# Altium PCB PCB2.PcbDoc (part 1 of 2) (continued)
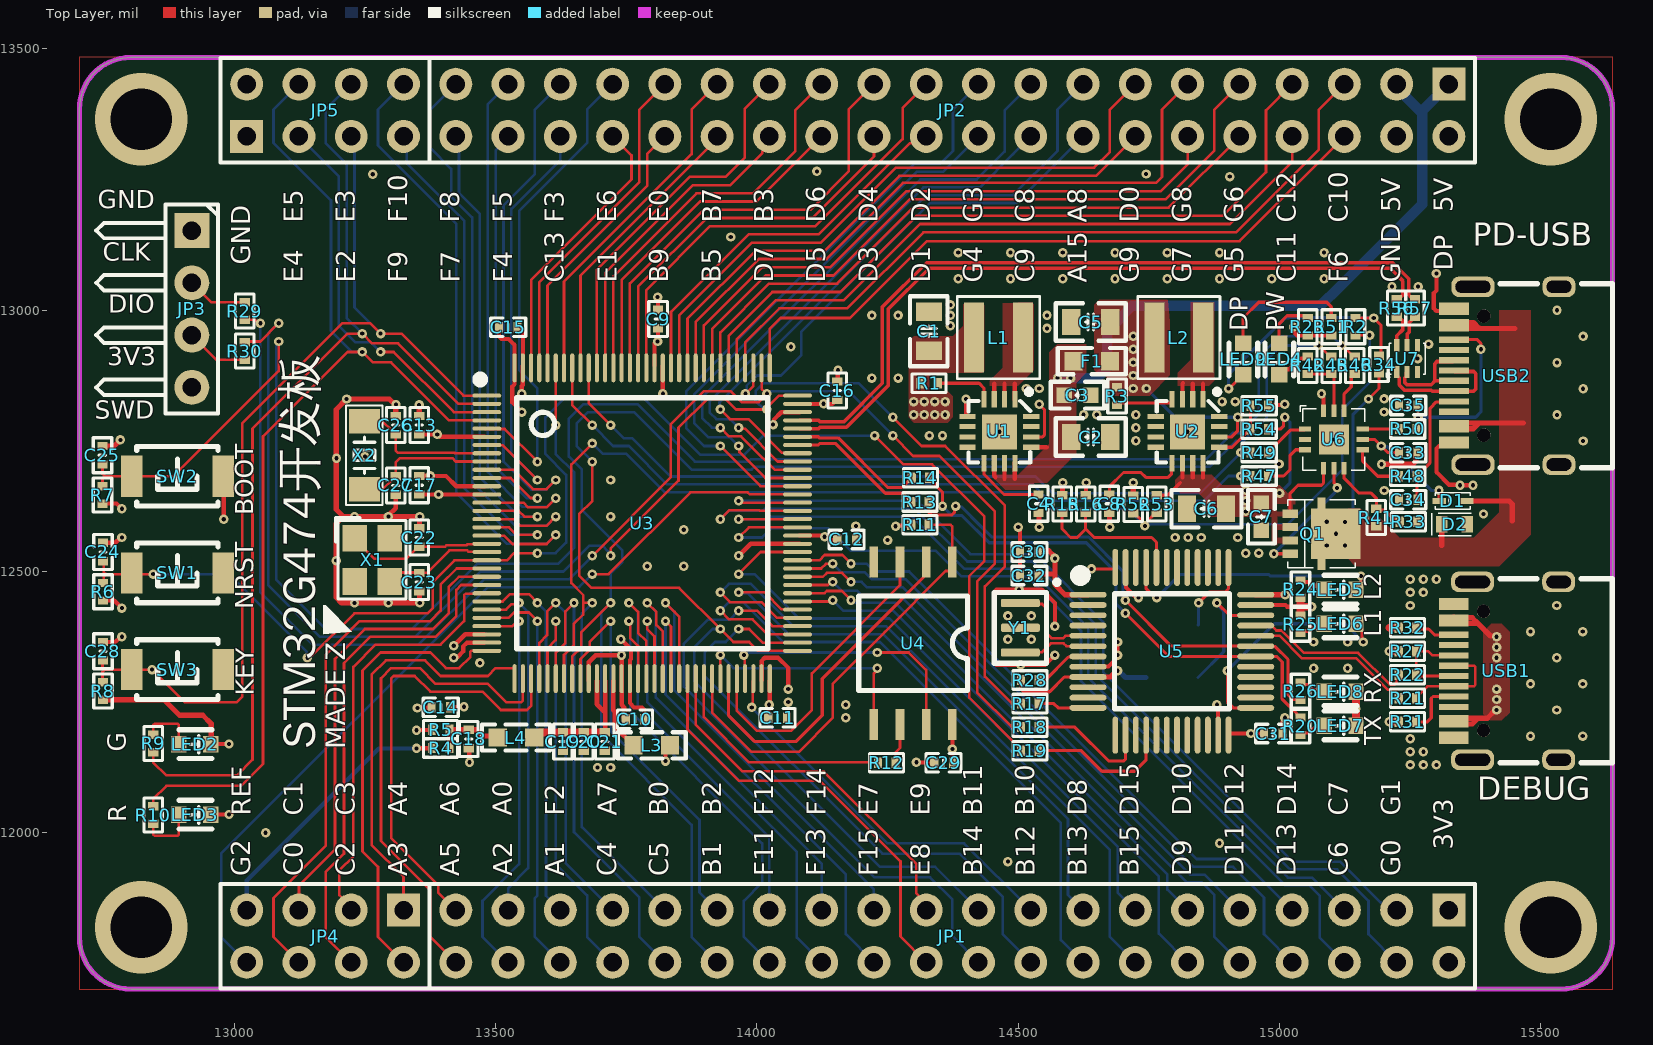
[diagram p0: Top Layer view]
## Footprints (in the part's own frame and the unit in brackets; to place one, negate y for a bottom-side part, rotate by r counter-clockwise, add the part's x,y. Pads: shape width x height; smd on the part's side, far side on the other; paste and mask are expansions set on the pad) (continued)
QFN16 [mm] "3mm*3mm"
  rect 0.8x0.25 smd: 1(-1.575,0.75) 2(-1.575,0.25) 3(-1.575,-0.25) 4(-1.575,-0.75) 9(1.524,-0.75) 10(1.524,-0.25) 11(1.524,0.25) 12(1.524,0.75)
  rect 0.25x0.8 smd: 5(-0.75,-1.55) 6(-0.25,-1.55) 7(0.25,-1.55) 8(0.75,-1.55) 13(0.75,1.55) 14(0.25,1.55) 15(-0.25,1.55) 16(-0.75,1.55)
  rect 1.7x1.7 smd: 17(0,0)
  silkscreen extent -2.07,-1.5 1.5,1.56, body extent -1.55,-1.52 1.49,1.52, height 0.9
QSPI [mm]
  rect 0.42x1.524 smd: 1(0,0) 2(1.27,0) 3(2.54,0) 4(3.81,0) 5(3.81,7.9) 6(2.54,7.9) 7(1.27,7.9) 8(0,7.9)
  silkscreen extent -0.73,1.65 4.54,6.25
"R 0402_L" [mm] "1/16W贴片电阻"
  rect 0.4x0.5 smd: 1(-0.4,0) 2(0.45,0)
  silkscreen extent -0.8,-0.45 0.85,0.45, body extent -0.5,-0.25 0.5,0.25, height 0.3
STL11N3LLH6 [mm]
  rect 0.4x0.75 smd: 1(1.311,-2.004) 2(-0.639,-2.004) 2(0.011,-2.004) 2(0.661,-2.004)
  rect 0.53x0.4 smd: 3(-1.154,-0.479) 3(1.826,-0.479)
  rect 2.45x2.4 smd: 3(0.336,0.221)
  silkscreen extent -1.31,-2.13 1.99,1.17
TCPP01-M12 [mm]
  rect 1.45x1.45 smd: 0(0.5,-1.4)
  rect 0.6x0.25 smd: 1(-0.9,-0.9) 2(-0.9,-1.4) 3(-0.9,-1.9) 7(1.9,-1.9) 8(1.9,-1.4) 9(1.9,-0.9)
  rect 0.25x0.6 smd: 4(0,-2.8) 5(0.5,-2.8) 6(1,-2.8) 10(1,0) 11(0.5,0) 12(0,0)
  silkscreen extent -1.14,-2.9 2,0.24
"TEST 1.2" [mm] "测试点1.2mm"
  round 1.2 smd paste-1.2: 1(0,0)
  silkscreen extent -0.76,-0.76 0.76,0.76
Type-c接口 [mm]
  rrect75% 1x2.1 hole 1.7 slot 0.6 at 0 deg: 0(0.454,1.117) 0(9.094,1.117)
  rrect75% 1x1.6 hole 1.2 slot 0.6 at 0 deg: 0(0.454,-3.063) 0(9.094,-3.063)
  round 0.65 hole 0.65: 0(1.884,0.587) 0(7.664,0.587)
  rect 0.3x1.45 smd: A1(1.374,2.032) A4(2.174,2.032) A5(3.524,2.032) A6(4.524,2.032) A7(5.024,2.032) A8(6.024,2.032) A9(7.374,2.032) A12(8.174,2.032) B1(7.874,2.032) B4(7.074,2.032) B5(6.524,2.032) B6(5.524,2.032) B7(4.024,2.032) B8(3.024,2.032) B9(2.474,2.032) B12(1.674,2.032)
  silkscreen extent 0.3,-5.66 9.24,-0.21
三脚晶振 [mm]
  rrect50% 0.4x1.9 smd: 1(2.4,0) 2(1.2,0) 3(0,0)
  silkscreen extent -1.12,-1.27 2.92,1.88
按钮 [mm]
  rect 1.05x2 smd: 1(0,0) 2(4.45,0)
  silkscreen extent 0.25,-1.45 4.2,1.45
电感XFL4020 [mm]
  rect 0.98x3.4 smd: 1(0,0) 2(2.37,0)
  silkscreen extent -0.81,-2 3.18,2

## Part data
C1 C2 C3 C4 C5 C6 C7 C8 C9 C10 C11 C12 C13 C14 C15 C16 C17 C18 C19 C20 C21 C22 C23 C24 C25 C26 C27 C28 C29 C30 C31 C32 C33 C34 C35: library part C, "贴片电容", 主类型=电容, 具体类型=陶瓷电容, 封装类型=贴片
  C1 C5: 值/型号=22uF/16V, 值精度=±10%, 元件封装=0805, 温度漂移=X7R（10%）, 温度范围="-55°C ~ 125°C", 生产商=SAMSUNG(三星), 生产商零件编码=CL21A226KOQNNNE, 立创编号=C296720
  C2 C6: 值/型号=10uF/50V, 值精度=±10%, 元件封装=0805, 温度漂移=X5R, 温度范围="-55°C ~ 125°C", 生产商=muRata(村田), 生产商零件编码=GRM21BR61H106KE43L, 立创编号=C440198
  C3 C7 C33: 值/型号=100nF/50V, 值精度=±10%, 元件封装=0603, 温度漂移=X7R（15%）, 温度范围="-55°C ~ 125°C", 生产商=SAMSUNG(三星), 生产商零件编码=CL10B104KB8NNNC, 立创编号=C1590
  C4 C8: 值/型号=3.3nF/50V, 值精度=±5%, 元件封装=0402, 温度漂移=X7R（5%）, 温度范围="-55°C ~ 125°C", 生产商=YAGEO(国巨), 生产商零件编码=CC0402JRX7R9BB332, 立创编号=C541447
  C9 C10 C11 C12 C14 C15 C16 C17 C18 C20 C21 C29: 值/型号=100nF/16V, 值精度=±10%, 元件封装=0402, 温度漂移=X7R（15%）, 温度范围="-55°C ~ 125°C", 生产商=YAGEO(国巨), 生产商零件编码=CC0402KRX7R7BB104, 立创编号=C60474
  C13 C19: 值/型号=1uF/16V, 值精度=±10%, 元件封装=0402, 温度漂移=X7R（5%）, 温度范围="-55°C ~ 125°C", 生产商=SAMSUNG(三星), 生产商零件编码=CL05A105KO5NNNC, 立创编号=C29266
  C22 C23: 值/型号=20pF/50V, 值精度=±1%, 元件封装=0402, 温度漂移=NP0, 生产商=YAGEO(国巨), 生产商零件编码=CC0402FRNPO9BN200, 立创编号=C327010
  C24 C25 C28: 值/型号=10nF/16V, 值精度=±10%, 元件封装=0402, 温度漂移=X7R, 生产商=YAGEO(国巨), 生产商零件编码=CC0402KRX7R7BB103, 立创编号=C327009
  C26 C27: 值/型号=7pF/50V, 值精度=±0.25pF, 元件封装=0402, 温度漂移=C0G, 生产商=YAGEO(国巨), 生产商零件编码=CC0402CRNPO9BN7R0, 立创编号=C260628
  C30 C31 C32: 值/型号=7pF/50V, 值精度=±0.25pF, 元件封装=0402, 温度漂移=C0G, 生产商=FH(风华), 生产商零件编码=0402CG7R0C500NT, 立创编号=C1577
  C34 C35: 值/型号=330pF/50V, 值精度=±10%, 元件封装=0402, 温度漂移=X7R（15%）, 温度范围="-55°C ~ 125°C", 生产商=YAGEO(国巨), 生产商零件编码=CC0402KRX7R9BB331, 立创编号=C106206
D1 D2: library part "D Schottky", "Schottky Diode"
  D1: 主类型=二极管, 值/型号=BAT54KFILM, 元件封装=SOD-523, 具体类型=肖特基二极管, 封装类型=贴片, 生产商=ST(意法半导体), 生产商零件编码=BAT54KFILM, 立创编号=C283259
F1: library part FU, "贴片保险丝"
JP1 JP2: library part "Header 20X2", "20*2P接插件", BOM名称=20*2P接插件, 学习资源=www.ooocke.com, 版权归属=源创客
JP3: library part "Header 4", "4P接插件"
JP4 JP5: "4*2P接插件", BOM名称=4*2P接插件, 学习资源=www.ooocke.com, 版权归属=源创客
L1 L2 L3 L4: library part L-CD, "XFL4020-222MEB", 主类型=电感, 封装类型=贴片, 温度范围=-40-125
  L1 L2: 值/型号=XFL4020-222MEB, 元件封装=4020, 具体类型=功率电感, 生产商=Coilcraft, 生产商零件编码=XFL4020-222MEB, 立创编号=https://detail.tmall.com/item.htm?spm=a230r.1.14.16.717a6f292tX0SR&id=619184428761&ns=1&abbucket=12, 类型备注=淘宝采购
  L3 L4: 值/型号=FCM1608KF-601T03, 元件封装=0603, 具体类型=磁珠, 生产商=台庆, 生产商零件编码=FCM1608KF-601T03, 立创编号=C141723
LED2 LED3 LED4 LED5 LED6 LED7 LED8 LED9: library part LED-SMD, "C84267"
Q1: library part SI2302, "N沟道场效应管"
R1 R3 R11 R12: library part R, "贴片电阻 0402 1%", 主类型=电阻, 值/型号=100K, 值精度=±1%, 元件封装=0402, 具体类型=贴片电阻, 封装类型=贴片, 温度漂移=±100ppm/℃, 生产商=国巨, 生产商零件编码=RC0402FR-07100KL, 立创编号=C60491
R2 R4 R5 R6 R7 R8 R13 R14 R15 R16 R17 R18 R19 R21 R22 R27 R28 R29 R30 R31 R32 R33 R34 R41 R42 R45 R46 R47 R48 R49 R50 R52 R53 R54 R55 R56 R57: library part R, "贴片电阻"
  R2 R4 R5 R13 R14 R29 R30 R33 R34 R45 R46 R47 R48 R49 R50 R52 R53 R54 R55: 元件封装=0402, 封装类型=贴片
R9 R10 R20 R23 R24 R25 R26 R51: library part R, "贴片电阻 0402 5%", 主类型=电阻, 值/型号=15K, 值精度=±1%, 元件封装=0402, 具体类型=贴片电阻, 封装类型=贴片, 温度漂移=50ppm, 生产商=国巨, 生产商零件编码=RT0402FRE0715KL, 立创编号=C136975
SW1 SW2 SW3: library part "TSW 3x6", "3x6轻触开关"
TP1 TP2 TP3 TP4: "测试点"
U1 U2: library part "开关电源 TPS62133", 主类型=线性稳压器, 值/型号=TPS62133RGTR, 元件封装=VQFN-16, 具体类型=LDO, 封装类型=贴片, 温度范围=-40-85, 生产商=TI(德州仪器), 生产商零件编码=TPS62133RGTR, 立创编号=C73973
U3: "No Description Available", Built_By=EMA_UL_Team, Copyright="Copyright (C) 2018 Accelerated Designs. All rights reserved", Manufacturer_Part_Number=STM32G474QET6, RefDes=RefDes, SourceLibrary=Updates_to_database_2020-10-19, Type=DEV, Vendor=STMicroelectronics
U4: library part QSPI-W25Q256IV
U5: "ARM Cortex-M3 32-bit MCU, 128 KB Flash, 20 KB Internal RAM, 37 I/Os, 48-pin LQFP, -40 to 85 degC, Tray"
USB1 USB2: library part USB-Type-C-TOP
X1: library part XTAL-4P, "4脚无源晶振", 主类型=晶振, 值/型号=24M, 值精度=20PPM, 元件封装=3225, 具体类型=无源晶振, 封装类型=贴片, 温度范围=-40℃~85℃, 生产商=YXC扬兴科技, 生产商零件编码=X322524MSB4SI, 立创编号=C15643
X2: library part XTAL-2P, "2脚无源脚晶振", 主类型=晶振, 值/型号=32.768K, 值精度=10PPM, 元件封装=3215, 具体类型=无源晶振, 封装类型=贴片, 温度范围="-40℃ ~ +85℃", 生产商=EPSON(爱普生), 生产商零件编码=Q13FC1350000200, 立创编号=C48615
Y1: library part 晶振-3Pin, "村田贴片"

## Via types
v1: diameter 18, hole 8, Top Layer to Bottom Layer, tented both sides, 327 vias
v2: diameter 177.17, hole 118.11, Top Layer to Bottom Layer, 4 vias

## Nets (pads, with @x,y where several pads share a name; then routed paths per layer and width w, separated by ;. In a path a pad name is that pad's centre, name@x,y a point inside that pad or via, vN(x,y) a via of type N, cw(c..) or ccw(c..) an arc to the next point about the centre after c; other vN are vias at no path point)
3V3: C1.1 C9.2 C10.2 C11.2 C12.2 C13.1 C14.2 C15.2 C16.2 C17.2 C25.2 C29.2 C30.2 C31.2 C32.2 JP1.1 JP1.2 JP3.4 L1.2 L3.1 LED2.1 LED3.1 LED4.1 LED7.1 LED8.1 R1.2 R5.1 R6.2 R8.2 R11.1 R16.1 R27.2 R28.1 R42.2 SW2.2 TP3.1 U1.14 U3.6 U3.13 U3.31 U3.47 U3.64 U3.79 U3.95 U3.111 U3.128 U4.8 U5.1 U5.9 U5.24 U5.36 U5.48 U6.12 | length 2649
  Top Layer w6: R28.1@14505.37,12292.28 14505.37,12274.63 14510,12270 14560,12270 14588.07,12298.07 U5.9@14633.38,12298.07 ; U1.14@14524.84,12757.44 14546.49,12757.44 14550,12760.96 14550,12810 v1(14540,12820) ; v1(14640,12505) 14683.25,12505 14685.56,12507.31 U5.48@14685.56,12507.73
  Top Layer w8: R6.2@12748.83,12444.57 12770.43,12444.57 v1(12785,12430) ; LED3.1@12955.07,12034.28 12955.78,12035 v1(12990,12035) ; LED2.1@12955.07,12169.28 12955.78,12170 v1(12990,12170) ; SW2.2@12978.83,12682.28 12980,12681.12 v1(12980,12600) ; v1(13348.6,12196.42) 13349.03,12196.85 13377.65,12196.85 R5.1@13378.08,12197.28 ; C17.2@13353.83,12647.28 v1(13390.89,12647.28) ; C13.1@13353.83,12762.28 v1(13388.51,12762.28) 13393.16,12757.64 U3.6@13479.25,12757.64 ; v1@13390.89,12647.4 U3.13@13479.25,12647.4 ; C14.2@13412.71,12240 13413.3,12240.58 13438.98,12240.58 v1(13439.57,12241.17) ; v1(13420,12335) 13421.91,12336.91 13427.75,12336.91 13438,12347.16 13438,12356.53 13445.2,12363.74 13479.05,12363.74 U3.31@13479.25,12363.94 ; C15.2@13506.41,12967.29 13506.41,12949.69 13511.09,12945 13525,12945 13536.37,12933.63 13536.37,12858.08 13532,12853.72 13532,12823 v1(13550,12805) ; v1(13739.74,12370.26) 13758.82,12351.18 13758.82,12332.42 13756.84,12330.44 13756.84,12248.16 13765,12240 13780,12240 13785,12235 13785,12218.02 C10.2@13784.26,12217.28 ; U3.111@13804.08,12893.5 13804.08,12937.72 13810.83,12944.47 C9.2@13810.83,12965.32 ; v1(13824.97,12137.26) 13824.97,12158.43 L3.1@13833.83,12167.28 L3.1@13836.12,12165 ; C11.2@14021.83,12220.32 14021.83,12243.62 14024.56,12246.35 U3.64@14024.56,12291.07 ; U3.79@14081.67,12568.66 14131.34,12568.66 14140,12560 14152.55,12560 C12.2@14153.83,12561.28 ; U3.95@14081.67,12820.63 14144.21,12820.63 14151.86,12828.28 C16.2@14153.83,12828.28 ; v1(14265.18,12586.63) 14266.5,12587.96 14294.04,12587.96 R11.1@14295.37,12589.28 ; U4.8@14373.77,12207.2 14374.3,12206.67 14374.3,12134.81 C29.2@14374.83,12134.28 ; R16.1@14628.83,12645.75 14629.42,12646.33 14629.42,12669.42 v1(14630,12670) ; U5.24@14902.1,12186.83 14902.1,12188.61 14903.49,12190 v1(14945,12190) C31.2@14970,12190 ; LED4.1@14999,12875.97 15009.76,12886.74 15018.42,12886.74 15038.89,12907.2 15049.85,12907.2 R42.2@15053.71,12911.06 ; v1(15080,12840) 15080,12837.29 15084.03,12833.27 U6.12@15084.03,12807.72
  Top Layer w10: C25.2@12747.83,12740 12770.37,12740 v1(12782.18,12751.8) ; R8.2@12748.83,12254.57 12865.43,12254.57 12895,12225 12939.8,12225 12955.78,12209.02 LED2.1@12955.78,12170 ; C32.2@14538.83,12492.28 14541.55,12495 14570,12495 ; C30.2@14538.83,12537.28 14541.21,12539.67 14558.28,12539.67 14568.47,12529.48 14568.47,12526.53 v1(14570,12525) 14570,12495 ; U5.9@14633.38,12298.07 14633.57,12298.26 14676.1,12298.26 14687.84,12310 v1(14690,12310) ; U5.1@14633.38,12455.55 14633.19,12455.36 14589.64,12455.36 14570,12475 14570,12495 ; U5.24@14902.1,12186.83 U5.24@14902.29,12186.64 ; U5.36@14954.28,12455.55 v1(15010.55,12455.55)
  Top Layer w15: LED7.1@15146.02,12205 v1(15146.02,12237.5) LED8.1@15146.02,12270 ; v1(15209.72,12347.28) R27.2@15228.08,12347.28
  Bottom Layer w10: v1(14690,12310) 14692.16,12310 14704.88,12297.28 TP3.1@14743.83,12297.28
  other v1: 14373.94,12160.36 14023.19,12244.99 14129.36,12566.5 14300,12800 14320,12800 14340,12800 14360,12800 14127.5,12820.8 14300,12825 14320,12825 14340,12825 14360,12825 15028.65,12896.97 13810,12940
5V: C2.2 C3.2 F1.2 JP2.1 JP2.3 U1.10 U1.11 U1.12 U1.13 | length 1320.8
  Top Layer w8: U1.10@14453.99,12707.28 14453.99,12682.98 14456.69,12680.28 ; 14473.67,12677.58 U1.11@14473.67,12707.28 ; 14493.36,12677.58 U1.12@14493.36,12707.28 ; U1.13@14524.84,12737.76 14554.54,12737.76
  Bottom Layer w20: v1(14575,12870) v1(14600,12870) 14650,12870 14670,12890 14670,12960 14718.11,13008.11 15078.11,13008.11 15115,13045 15272.83,13202.83 15272.83,13381.28 JP2.1@15323.83,13432.28 ; JP2.3@15223.83,13432.28 15223.83,13425.24 15272.83,13376.24
5V_IN: C5.1 F1.1 L2.2 R3.1 U2.14 USB1.A4 USB1.A9 USB1.B4 USB1.B9 | length 547.3
  Top Layer w6: U2.14@14884.84,12757.44 14908.28,12757.44 14919.22,12768.38 14919.22,12791.82 v1@14920.56,12793.16
  Top Layer w10: USB1.A4@15333.2,12207.55 15334.11,12208.45 15368.45,12208.45 15379.33,12219.33 15397.16,12219.33 15412.84,12235 v1(15415,12235) ; USB1.B9@15333.2,12219.36 15379.3,12219.36 ; USB1.B4@15333.2,12400.46 15379.54,12400.46 ; USB1.A9@15333.2,12412.27 15334.11,12411.36 15368.64,12411.36 15379.54,12400.46 ; v1(15415,12375) 15413.47,12376.53 15403.47,12376.53 15379.54,12400.46
  Bottom Layer w6: v1(14745,12850) 14800,12795 v1@14922.38,12795
  other v1: 15415,12255 15415,12275 15415,12335 15415,12355 14920,12795 14720,12850 14720,12875 14720,12900 14720,12925 14720,12950
ADC_VBUS: JP1.31 R2.1 R52.1 R53.2 U3.39 | length 3094.7
  Top Layer w5: U3.39@13630.86,12291.07 13630.86,12340.38 13649.32,12358.85 13649.32,12399.32 13667.68,12417.68 13667.68,12438.76 13668.92,12440 v1(13685,12440) ; 13667.68,12440 13667.68,12454.84 13645,12477.52 13645,12705 v1(13685,12745) ; R2.1@15145,12951.54 15145.45,12951.99 v1(15172.02,12951.99)
  Top Layer w6: R52.1@14720,12611.54 14721.97,12611.54 14739.85,12593.65 14739.85,12589.5 v1(14742.15,12587.2) 14744.44,12589.5 14744.44,12593.7 14763.03,12612.29 R53.2@14765,12612.29
  Bottom Layer w5: v1(13685,12440) 13665,12420 13665,12011.12 JP1.31@13823.83,11852.28 ; v1(13685,12745) 13705,12725 13750,12725 13823.12,12651.88 14523.12,12651.88 14555,12620 14709.35,12620 v1(14742.15,12587.2) 14744.64,12589.69 14751.27,12589.69 14751.58,12590 15015,12590 15120,12695 15120,12810 15172.02,12862.02 v1(15172.02,12951.99)
BOOT0: R15.2 R16.2 U5.44 | length 314.6
  Top Layer w6: R15.2@14583.83,12612.28 14583.83,12581.17 14600,12565 14612.66,12565 14628.83,12581.17 ; R16.2@14628.83,12612.28 14628.83,12581.17 ; U5.44@14764.3,12507.73 14764.3,12555.7 14755,12565 14645,12565 14628.83,12581.17
CC1_IN: C34.2 R48.2 USB2.A5 | length 239.3
  Top Layer w6: C34.2@15263.71,12637.28 15262.73,12638.26 15262.73,12681.3 R48.2@15261.75,12682.28 15261.75,12684.25 15266.63,12689.13 15268.59,12689.13 15287.83,12708.36 15287.83,12812.52 15299.76,12824.46 15332.89,12824.46 USB2.A5@15333.79,12825.37
CC2_IN: C35.2 R50.2 USB2.B5 | length 356.6
  Top Layer w6: R50.2@15261.75,12772.6 15263.38,12774.22 15263.38,12793.38 v1(15265,12795) 15264.36,12795.64 15264.36,12816.96 C35.2@15263.71,12817.6 ; USB2.B5@15333.79,12943.48 15378.01,12943.48 15385,12936.49 v1(15385,12925)
  Bottom Layer w6: v1(15265,12795) 15375,12795 15385,12805 v1(15385,12925)
DEBUG_RXD: R14.2 U3.91 | length 263.5
  Top Layer w6: U3.91@14081.67,12757.64 14117.25,12757.64 14119.28,12755.61 14155.29,12755.61 14250.29,12660.61 14277.44,12660.61 14289.28,12672.44 14291.24,12672.44 14296.12,12677.32 R14.2@14296.12,12679.29
DEBUG_TXD: R13.2 U3.90 | length 262.1
  Top Layer w6: U3.90@14081.67,12741.89 14117.24,12741.89 14119.96,12744.61 14150.73,12744.61 14245.73,12649.61 14278.43,12649.61 14288.33,12639.71 14290.3,12639.71 14295.17,12634.83 R13.2@14295.17,12632.87
DP_DB: JP1.30 R46.2 U3.40 | length 3110.9
  Top Layer w5: U3.40@13646.6,12291.07 13646.6,12337.17 13664.05,12354.62 13664.05,12384.05 v1(13720,12440) ; v1(15119.05,12932.38) 15120.42,12932.38 15141.75,12911.06 R46.2@15143.71,12911.06
  Bottom Layer w5: JP1.30@13923.83,11752.28 13875,11801.12 13875,12015 13702.29,12187.71 13702.29,12422.29 v1(13720,12440) 13720,12496.14 13742.43,12518.56 13742.43,12539.76 13665,12617.19 13665,12695 13640,12720 13640,12792.28 13667.72,12820 13771.21,12820 13881.23,12709.99 13983.77,12709.99 13988.79,12715 14860,12715 14910,12765 14925,12765 14960,12800 14960,12910 15000,12950 15101.44,12950 v1(15119.05,12932.38)
DP_FLT: JP1.19 R45.2 U3.65 | length 3319.7
  Top Layer w5: v1(13685,12710) 13685,12635 13660,12610 13660,12492.46 13683.78,12468.68 13851.32,12468.68 v1(13930,12390) 13955,12365 13985,12365 14001.81,12348.19 U3.65@14081.67,12348.19 ; v1(15074.05,12932.38) 15075.42,12932.38 15096.75,12911.06 R45.2@15098.71,12911.06
  Bottom Layer w5: v1(13685,12710) 13655,12740 13655,12783.57 13676.43,12805 13765,12805 13875.01,12694.99 13989.99,12694.99 13995,12700 14866.21,12700 14916.21,12750 14931.21,12750 14975,12793.79 14975,12903.79 15003.6,12932.38 v1(15074.05,12932.38) ; v1(13930,12390) 13915,12390 13880,12355 13880,12290 14235,11935 14341.12,11935 JP1.19@14423.83,11852.28
GATE: Q1.1 U6.5 | length 247.3
  Top Layer w6: v1(14989,12534) 14989.09,12533.91 15019.91,12533.91 Q1.1@15020,12533.82 ; U6.5@15103.71,12697.48 15103.71,12669.53 15110,12663.25 v1(15110,12660)
  Bottom Layer w6: v1(14989,12534) 15105.77,12650.77 15105.77,12652.52 15110,12656.75 v1(15110,12660)
GND: C1.2 C2.1 C3.1 C4.1 C5.2 C6.1 C7.1 C8.1 C9.1 C10.1 C11.1 C12.1 C13.2 C14.1 C15.1 C16.1 C17.1 C18.1 C19.2 C20.1 C21.1 C22.1 C23.1 C24.2 C26.1 C27.1 C28.2 C29.1 C30.1 C31.1 C32.1 C33.1 C34.1 C35.1 D2.1 JP2.4 JP3.1 JP5.1 JP5.2 R7.2 R15.1 R23.1 R24.1 R25.1 R31.1 R32.1 R33.1 R51.1 R52.2 R55.1 SW1.2 SW3.2 TP4.1 U1.5 U1.6 U1.7 U1.8 U1.15 U1.16 U1.17 U2.5 U2.6 U2.7 U2.8 U2.15 U2.16 U2.17 U3.12 U3.30 U3.42 U3.46 U3.63 U3.78 U3.94 U3.110 U3.127 U4.4 U5.8 U5.23 U5.35 U5.47 U6.0 U6.2 U7.3 U7.4 USB1.A1 USB1.A12 USB1.B1 USB1.B12 USB2.A1 USB2.A12 USB2.B1 USB2.B12 X1.2 X1.4 Y1.2 | length 3779.1
  Top Layer w8: R7.2@12747.83,12629.57 12748.26,12630 12775,12630 v1(12785,12620) ; C28.2@12748.83,12365 12772.29,12365 12782.29,12375 v1(12785,12375) ; C24.2@12748.83,12555 12772.29,12555 12782.29,12565 v1(12785,12565) ; v1(13350.43,12238.83) 13351.02,12239.41 13376.7,12239.41 C14.1@13377.28,12240 ; v1(13375.05,12682.83) 13404.94,12682.83 13424.62,12663.15 U3.12@13479.25,12663.15 ; C18.1@13448.83,12161.85 13449.41,12161.27 13449.41,12135.59 v1(13450,12135) ; C15.1@13541.83,12967.29 13541.83,12965.32 13552.12,12955.04 13552.12,12893.5 13551.91,12893.29 13551.91,12856.91 13550,12855 v1(13550,12840) ; v1(13810,13025) 13810.42,13024.58 13810.42,13001.16 C9.1@13810.83,13000.74 ; U3.110@13819.83,12893.5 13819.92,12893.41 13819.92,12840.08 v1(13820,12840) ; U3.63@14008.81,12291.07 14009.01,12291.27 14009.01,12329.01 14015,12335 14040,12335 14060,12315 v1(14060,12275) ; v1(14030.96,12780.96) 14032.87,12782.87 14032.87,12791.02 14046.53,12804.68 14081.47,12804.68 U3.94@14081.67,12804.88 ; C16.1@14153.83,12863.71 14154.42,12864.3 14154.42,12884.42 v1(14155,12885) ; v1(14305,12135) 14305.36,12134.64 14339.05,12134.64 C29.1@14339.4,12134.29 ; v1(14400,12830) 14400,12797.73 14400.92,12796.81 U1.5@14402.82,12796.81 ; v1(14500,12585) 14500,12582.29 14503.4,12578.89 C30.1@14503.4,12537.29 C32.1@14503.4,12492.29 ; v1(14570,12340) 14551.33,12321.33 14458.13,12321.33 14453.44,12326.02 14453.44,12460.28 14458.13,12464.96 14545.04,12464.96 14570,12440 v1(14570,12395) ; U5.8@14633.38,12317.76 14633.96,12318.33 14672.87,12318.33 14688.09,12333.54 14688.09,12335.38 14690,12337.29 v1(14690,12340) v1(14690,12365) ; U5.47@14705.25,12507.73 14705.82,12507.16 14705.82,12469.63 14723.54,12451.91 14728.09,12451.91 v1(14730,12450) ; v1(14880,12245) 14881.84,12243.16 14881.84,12187.41 U5.23@14882.41,12186.83 ; U5.35@14954.28,12435.87 15010.9,12435.87 15014.13,12432.64 15040,12432.64 ; R55.1@14977.71,12817.28 14979.12,12818.69 15008.51,12818.69 v1(15009.91,12820.09) ; C31.1@15005.43,12190 15005.43,12212.72 15010,12217.29 v1(15010,12220) ; v1(15026.71,12967.82) 15028.62,12965.9 15028.62,12956.22 15033.31,12951.54 R23.1@15053.71,12951.54 R51.1@15098.71,12951.54 ; v1(15300,13070) 15300,13037.76 15295,13032.76 15295,13003.22 15299.69,12998.53 15331.89,12998.53 USB2.B1@15333.79,12996.63 USB2.A12@15333.79,13008.44 ; USB2.B12@15333.79,12752.53 USB2.A1@15333.79,12740.72 15333.07,12740 15304.69,12740 15300,12735.31 15300,12690 15324,12666 15344,12666 v1(15345,12665) v1(15370,12665)
  Top Layer w9: v1(13295,12605) 13295,12607.44 13308.83,12621.26 C27.1@13308.83,12646.85 ; v1(13420,12358) 13441.67,12379.67 U3.30@13479.24,12379.67 ; U3.42@13678.11,12291.08 13678.11,12326.76 13691.22,12339.88 v1(13740.82,12339.88) 13741.08,12339.61 U3.46@13741.08,12291.08 ; U3.46@13741.09,12291.07 13741.09,12244.82 13745.45,12240.45 13745.45,12220.65 C10.1@13748.83,12217.28 C10.1@13748.58,12217.03 ; v1(13965,12530) 13987.91,12552.91 U3.78@14081.67,12552.91 ; C12.1@14189.26,12561.28 C12.1@14189.26,12561.28 v1(14189.34,12587.04) v1(14189.34,12587.04)
  Top Layer w10: C26.1@13308.83,12797.71 v1@13308.83,12818.83 ; v1(13309.42,12819.42) 13307.25,12819.42 13296.67,12830 v1(13215,12830) 13195,12810 13195,12618.39 13208.39,12605 ; v1(13353.6,12818.6) 13353.83,12818.37 C13.2@13353.83,12797.71 C13.2@13354.07,12797.94 ; C23.1@13353.83,12461.85 13354.41,12461.27 13354.41,12440.59 v1(13355,12440) v1(13295,12440) v1(13230,12440) 13205,12440 13195,12450 v1(13195,12520.8) 13195,12591.61 13208.39,12605 ; C22.1@13353.83,12582.71 13354.42,12583.3 13354.42,12604.42 v1(13355,12605) v1(13295,12605) v1(13230,12605) 13208.39,12605 ; C17.1@13353.83,12682.71 13353.89,12682.77 13375,12682.77 v1(13375.05,12682.83) ; C4.1@14538.83,12611.85 14539.41,12611.27 14539.41,12585.59 v1(14540,12585) ; R15.1@14583.83,12645.75 14584.42,12646.33 14584.42,12669.42 v1(14585,12670) ; C8.1@14673.83,12611.85 14674.41,12611.27 14674.41,12585.59 v1(14675,12585) ; R52.2@14720,12645 v1(14720,12670) ; v1(15194.91,12705.09) 15195,12705 15254.98,12705 15260.84,12710.86 15260.84,12724.41 C33.1@15263.72,12727.28
  Top Layer w15: R25.1@15040,12415.75 15040,12432.64 ; R24.1@15040,12449.54 15040,12432.64 ; v1(15061.18,12432.64) 15040,12432.64 ; v1(15209.5,12212.51) 15227.85,12212.51 R31.1@15228.08,12212.28 ; 15209.72,12392.28 R32.1@15228.08,12392.28
  other v1: 14480,11945 14885,11980 13060,12000 13695,12125 13720,12125 15250,12130 15275,12130 15300,12130 15250,12155 15275,12155 15250,12180 15480,12185 15580,12185 14170,12220 15530,12235 14170,12245 14060,12250 15480,12285 15580,12285 15065,12315 15130,12315 14504.73,12321.33 13470,12325 15530,12335 15065,12365 15130,12365 14480,12370 14525,12370 15480,12385 15580,12385 14480,12415 14525,12415 15250,12435 15530,12435 15250,12460 15275,12460 14501.58,12464.96 15250,12485 15275,12485 15300,12485 13790,12510 13860,12510 14935,12535 14959.91,12535.09 14250,12560 14799.91,12565.09 14824.91,12565.09 14849.91,12565.09 14919.91,12565.09 13860,12580 13720,12605 15390,12610 15200,12655 13720,12675 14999.07,12705.69 13195.58,12716.7 13250,12720 14725,12750 15580.59,12749.67 15103.5,12752.6 14330,12760 14355,12760 14463.83,12767.28 14823.83,12767.28 14725,12775 14625,12800 14650,12800 14725,12800 15530.59,12799.67 15199.91,12805.09 14890,12825 14915,12825 15199.91,12830.09 14515,12850 14540,12850 15580.59,12849.67 14220,12870 14270,12870 15530.59,12899.67 15263.87,12907.36 14065,12930 15285,12935 15580.59,12949.67 14555,12965 14370,12970 14220,12990 14270,12990 14370,12990 14555,12990 15530.59,12999.67 14370,13010 15215,13045 15265,13045 14385,13060 14485,13060 14585,13060 14685,13060 14785,13060 14885,13060 14985,13060 15085,13060 14385,13110 14485,13110 14585,13110 14685,13110 14785,13110 14885,13110 15085,13110 13950,13140 14904.58,13255.42 13265,13260 14744.58,13260.42 14114.58,13265.42
  other v2: 12821.94,11819.25 15518.79,11819.25 12821.94,13365.32 15518.79,13365.32
JTCK: R18.2 R29.1 U3.98 | length 2891.4
  Top Layer w5: R29.1@13020,12981.54 13039.95,12981.54 13046.48,12975 v1(13050,12975) ; v1(13685,12530) 13835,12680 13835,12781.21 13898.79,12845 13949.67,12845 13971.17,12823.5 14002.5,12823.5 v1(14019,12840) ; U3.98@14008.81,12889.5 14009.1,12889.21 14009.1,12849.29 14014.45,12843.94 14014.45,12840.45 v1@14014,12840 ; v1(14260,12760) 14299,12721 14349,12721 14455,12615 14455,12515 14421.16,12481.16 14421.16,12268.84 14487.72,12202.28 R18.2@14505.37,12202.28
  Bottom Layer w5: v1(13050,12975) 13050,12460 13150,12360 13352.43,12360 13477.43,12485 13640,12485 v1(13685,12530) ; v1(14019,12840) 14022.52,12840 14027.52,12845 14175,12845 v1(14260,12760)
JTMS: R17.2 R30.1 U3.96 | length 2993.7
  Top Layer w5: R30.1@13020,12938.46 13021.54,12940 13050,12940 v1(13085,12975) ; v1(13720,12530) 13720,12543.79 13850,12673.79 13850,12775 13905,12830 13940,12830 13960,12810 v1(14019,12810) 14019,12813.28 14042.09,12836.37 U3.96@14077.67,12836.38 ; v1(14260,12795) 14305,12750 14315,12740 14360,12740 14474.14,12625.86 14474.14,12509.14 14436.16,12471.16 14436.16,12298.84 14487.72,12247.28 R17.2@14505.37,12247.28
  Bottom Layer w5: v1(13085,12975) 13065,12955 13065,12473.79 13163.79,12375 13346.21,12375 13471.21,12500 13630,12500 13679.29,12549.29 13704.41,12549.29 13715.18,12538.52 13715.18,12538.34 13720,12533.52 v1(13720,12530) ; v1@14014,12810 13997.49,12826.51 13997.49,12845.55 14011.94,12860 14195,12860 v1(14260,12795)
KEY1: C28.1 JP5.5 R8.1 SW3.1 U3.1 | length 1862.8
  Top Layer w5: R8.1@12747.83,12293.03 12747.83,12307.83 12749.98,12309.98 12752.28,12312.28 ; C28.1@12747.83,12334.57 12747.83,12316.74 12752.28,12312.28 ; U3.1@13479.25,12836.38 13438.62,12836.38 13320,12955 v1(13280,12955) 13260,12975 13206.64,12975 13015,12783.36 13015,12260 13005,12250 12905,12250 v1(12842.72,12312.28) SW3.1@12803.63,12312.28 12752.28,12312.28
  Bottom Layer w5: JP5.5@13223.83,13332.28 13230,13326.12 13230,13005 v1(13280,12955)
LED1: LED6.1 U5.25 | length 471.4
  Top Layer w6: v1(14900,12310) 14900,12250 14910.98,12239.02 U5.25@14954.28,12239.02 ; LED6.1@15146.02,12400 15157.79,12388.24 15157.79,12367.21 v1(15160,12365)
  Bottom Layer w6: v1(14900,12310) 14990,12400 15125,12400 v1(15160,12365)
LED2: LED5.1 U5.45 | length 508.4
  Top Layer w6: U5.45@14744.62,12507.73 14744.62,12466.75 14759.07,12452.3 14762.7,12452.3 v1(14765,12450) ; LED5.1@15146.02,12465 15155.57,12474.55 v1(15155.57,12491.28)
  Bottom Layer w6: v1(14765,12450) 14808.89,12493.89 14979.31,12493.89 14981.91,12491.28 v1(15155.57,12491.28)
LED_G: JP5.6 R9.1 U3.2 | length 1967
  Top Layer w5: R9.1@12845,12154.25 12845,12135 12870,12110 13005,12110 13035,12140 13035,12773.36 13216.64,12955 v1(13245,12955) 13263.5,12936.5 13313.5,12936.5 13429.37,12820.63 U3.2@13479.25,12820.63
  Bottom Layer w5: JP5.6@13223.83,13432.28 13175,13383.45 13175,13320 13215,13280 13215,12985 v1(13245,12955)
LED_R: JP5.4 R10.1 U3.4 | length 2038.6
  Top Layer w5: R10.1@12845,12050.75 12845,12065 12870,12090 13013.28,12090 13055,12131.72 13055,12758.36 13216.64,12920 v1(13245,12920) 13265,12900 13300,12900 13410.87,12789.13 U3.4@13479.25,12789.13
  Bottom Layer w5: JP5.4@13123.83,13432.28 13075,13383.45 13075,13320 13185,13210 13185,12960 13225,12920 v1(13245,12920)
MCU-BOOT0: C25.1 R7.1 SW2.1 U3.123 | length 2090.3
  Top Layer w5: R7.1@12747.83,12663.03 12747.83,12677.83 12749.98,12679.98 12752.28,12682.28 ; C25.1@12747.83,12704.57 12747.83,12686.74 12752.28,12682.28 ; v1(13085,12940) 13085,12883.14 12884.15,12682.28 SW2.1@12803.63,12682.28 12752.28,12682.28 ; v1(13615,12780) 13615.05,12780.05 13615.05,12893.44 13615.11,12893.5 13615.11,12814.89
  Bottom Layer w5: v1(13085,12940) 13085,12936.48 13080,12931.48 13080,12485 13175,12390 13340,12390 13465,12515 13620,12515 13650,12545 13650,12690 13615,12725 v1(13615,12780)
MCU-NRST: C24.1 R6.1 R19.2 SW1.1 U3.21 | length 2860.8
  Top Layer w5: R6.1@12750.11,12475.75 12750.11,12490.55 12752.27,12492.7 12754.57,12495 ; C24.1@12750.12,12517.28 12750.12,12499.45 12754.57,12495 ; SW1.1@12803.63,12497.28 SW1.1@12805.92,12495 ; v1(12845,12495) SW1.1@12805.92,12495 ; v1(13140,12335) 13143.52,12335 13147.68,12339.17 13149.17,12339.17 13230,12420 13370,12420 13380,12430 13380,12480 13421.42,12521.42 13521.42,12521.42 13535,12535 v1(13580,12535) ; v1(14225,12760) 14280,12705 14335,12705 14435,12605 14435,12520 14406.16,12491.16 14406.16,12258.45 14505.37,12159.25 R19.2@14505.37,12157.28 ; 12754.57,12495 SW1.1@12805.92,12495
  Bottom Layer w5: v1(12845,12495) 12990,12495 13138.33,12346.67 13138.33,12336.67 v1(13140,12335) ; v1(13580,12535) 13615,12535 13635,12555 13635,12685 13595,12725 13595,12795 13635,12835 13780,12835 13891.51,12723.49 13976.14,12723.49 14012.65,12760 v1(14225,12760)
NetC4_2: C4.2 U1.9 | length 142
  Top Layer w6: U1.9@14434.3,12707.28 14434.3,12685.69 14472.71,12647.28 C4.2@14538.83,12647.28
NetC8_2: C8.2 U2.9 | length 173.3
  Top Layer w6: C8.2@14673.83,12647.28 14674.16,12647.61 14674.16,12662.3 14701.26,12689.41 14734.58,12689.41 14743.98,12680 14786.71,12680 14793.45,12686.73 14793.45,12706.42 U2.9@14794.3,12707.28
NetC18_2: C18.2 L4.1 R4.2 R5.2 | length 133.5
  Top Layer w10: R4.2@13411.55,12162.28 R5.2@13411.55,12197.28 13462.72,12197.28 13475,12185 13501.12,12185 L4.1@13503.83,12182.28
NetC19_1: C19.1 C20.2 C21.2 L4.2 U3.43 U3.44 | length 305.8
  Top Layer w9: U3.43@13693.85,12291.07 13693.85,12245.74 13709.58,12230 ; C21.2@13708.83,12192.28 13709.58,12193.04 13709.58,12230 ; U3.44@13709.58,12291.06 13709.58,12230
  Top Layer w15: L4.2@13573.83,12182.28 13583.46,12191.91 13708.46,12191.91 C21.2@13708.83,12192.28
NetC33_2: C33.2 D1.2 U6.8 | length 245.7
  Top Layer w6: U6.8@15158.83,12752.6 15181.91,12752.6 v1(15194.48,12740.03) 15207.22,12727.29 C33.2@15228.29,12727.29 ; v1(15304.91,12655.09) 15304.91,12635.09 D1.2@15305,12635
  Bottom Layer w6: v1(15194.48,12740.03) 15195.96,12738.55 15206.45,12738.55 15289.91,12655.09 v1(15304.91,12655.09)
NetJP3_2: JP3.2 R29.2 | length 116.6
  Top Layer w5: JP3.2@12918.83,13052.28 12956.12,13015 R29.2@13020,13015
NetJP3_3: JP3.3 R30.2 | length 120.8
  Top Layer w5: JP3.3@12918.83,12952.28 12966.12,12905 R30.2@13020,12905
NetL1_1: L1.1 U1.1 U1.2 U1.3 | length 89.1
  Top Layer w8: U1.3@14453.99,12829.29 14453.99,12858.99 ; U1.2@14473.67,12829.29 14473.67,12858.99 ; U1.1@14493.36,12829.29 14493.36,12858.99
NetL2_1: L2.1 U2.1 U2.2 U2.3 | length 90.5
  Top Layer w8: U2.3@14813.99,12829.29 14813.99,12858.99 14815,12860 ; U2.2@14833.67,12829.29 14833.67,12858.99 ; U2.1@14853.36,12829.29 14853.36,12858.99
NetL3_2: L3.2 U3.45 | length 139.7
  Top Layer w9: U3.45@13725.34,12291.07 13725.34,12234.92 13728.17,12232.09 13728.17,12202.94 L3.2@13763.83,12167.28
NetLED2_2: LED2.2 R9.2 | length 106.4
  Top Layer w5: R9.2@12845,12187.71 12845,12205.95 12847.93,12208.88 12891.12,12208.88 12894.04,12205.95 LED2.2@12894.04,12169.28
NetLED3_2: LED3.2 R10.2 | length 108.8
  Top Layer w5: R10.2@12845,12017.29 12845,11997.14 12847.93,11994.21 12891.12,11994.21 12894.04,11997.14 LED3.2@12894.04,12034.28
NetLED4_2: LED4.2 R23.2 | length 116.3
  Top Layer w6: LED4.2@15010.76,12948.76 LED4.2@14999,12937 14999,12974 15014.13,12989.13 15049.59,12989.13 R23.2@15053.71,12985
NetLED5_2: LED5.2 R24.2 | length 52.5
  Top Layer w8: R24.2@15040,12483 15043.08,12479.92 15055.61,12479.92 15062.92,12472.62 15077.38,12472.62 LED5.2@15085,12465
NetLED6_2: LED6.2 R25.2 | length 52.3
  Top Layer w8: R25.2@15040,12382.29 15043.88,12386.16 15056.97,12386.16 15062.92,12392.12 15077.12,12392.12 LED6.2@15085,12400
NetLED7_2: LED7.2 R20.2 | length 52.3
  Top Layer w6: R20.2@15040,12187.29 15043.55,12190.83 15054.9,12190.83 15064.75,12200.68 15080.68,12200.68 LED7.2@15085,12205
NetLED8_2: LED8.2 R26.2 | length 52.3
  Top Layer w6: R26.2@15040,12287.71 15043.67,12284.04 15054.78,12284.04 15064.75,12274.07 15080.93,12274.07 LED8.2@15085,12270
NetLED9_1: LED9.1 R2.2 R34.2 | length 503.2
  Top Layer w6: v1(14902.3,12849.94) 14902.98,12849.94 14929.02,12875.97 LED9.1@14930,12875.97 ; R2.2@15145,12985 v1(15180,12985) 15193.84,12971.16 15193.84,12916.55 R34.2@15190,12912.71
  Bottom Layer w6: v1(14902.3,12849.94) 14902.3,12877.3 15010.55,12985.55 15179.45,12985.55 v1(15180,12985)
NetLED9_2: LED9.2 R51.2 | length 257.2
  Top Layer w6: LED9.2@14932.25,12939.24 LED9.2@14930,12937 14930,12985 14960,13015 15090,13015 15098.71,13006.29 R51.2@15098.71,12985
NetR1_1: R1.1 U1.4 | length 113.8
  Top Layer w6: R1.1@14345.75,12860 14425,12860 14434.3,12850.7 U1.4@14434.3,12829.29
NetR3_2: R3.2 U2.4 | length 112.8
  Top Layer w6: R3.2@14688.83,12818.82 14692.32,12822.31 14792.38,12822.31 14794.3,12824.23 U2.4@14794.3,12829.29
NetR12_2: R12.2 U4.6 | length 68.6
  Top Layer w5: R12.2@14264.83,12134.28 14264.83,12153.51 14273.77,12162.44 U4.6@14273.77,12199.19
NetR17_1: R17.1 U5.12 | length 98
  Top Layer w6: R17.1@14538.83,12247.28 14539.02,12247.09 14568.13,12247.09 14576.2,12239.02 U5.12@14633.38,12239.02
NetR18_1: R18.1 U5.14 | length 240.3
  Top Layer w6: R18.1@14538.83,12202.28 14607.94,12202.28 14672.56,12137.67 14701.73,12137.67 14705.25,12141.18 U5.14@14705.25,12186.83
NetR19_1: R19.1 U5.16 | length 278.4
  Top Layer w6: R19.1@14538.83,12157.28 14620.37,12157.28 14659.93,12117.73 14722.58,12117.73 14744.62,12139.77 U5.16@14744.62,12186.83
NetR21_1: R21.1 U5.32 | length 328.8
  Top Layer w5: U5.32@14954.28,12376.81 14954.61,12377.14 14999.36,12377.14 15042.17,12334.33 15146.15,12334.33 15206.61,12273.87 15220.49,12273.87 15223.42,12270.94 15223.42,12261.95 R21.1@15228.08,12257.28
NetR22_1: R22.1 U5.33 | length 333.9
  Top Layer w5: U5.33@14954.28,12396.5 14984.21,12396.5 14993.57,12387.14 15003.5,12387.14 15046.31,12344.33 15150.3,12344.33 15210.75,12283.87 15219.54,12283.87 15223.85,12288.19 15223.85,12298.06 R22.1@15228.08,12302.28
NetR28_2: R28.2 U5.7 | length 113.3
  Top Layer w6: R28.2@14538.83,12292.28 14539.36,12292.82 14552.19,12292.82 14595.86,12336.48 14632.43,12336.48 U5.7@14633.38,12337.44
NetR31_2: R31.2 USB1.A5 | length 113.5
  Top Layer w6: R31.2@15261.55,12212.28 15282.28,12212.28 15290,12220 15290,12257.18 15293.51,12260.7 USB1.A5@15333.2,12260.7
NetR32_2: R32.2 USB1.B5 | length 77.2
  Top Layer w6: R32.2@15261.55,12392.28 15263.83,12390 15285,12390 15296.19,12378.81 USB1.B5@15333.2,12378.81
NetR42_1: R42.1 R45.1 U6.11 | length 117
  Top Layer w6: R42.1@15053.71,12877.6 R45.1@15098.71,12877.6 15098.84,12877.6 15103.71,12872.72 U6.11@15103.71,12807.72
NetR46_1: R46.1 U6.10 | length 79.4
  Top Layer w6: U6.10@15123.4,12807.72 15123.4,12839.73 15136.87,12853.2 15136.87,12872.72 15141.75,12877.6 R46.1@15143.71,12877.6
NetR47_2: R47.2 U6.3 | length 107.7
  Top Layer w6: R47.2@14977.71,12682.6 15007.6,12682.6 15020,12695 15020,12722.31 15030.6,12732.91 U6.3@15048.6,12732.91
NetR48_1: R48.1 U6.7 | length 103.2
  Top Layer w6: U6.7@15158.83,12732.91 15158.83,12711.17 15187.72,12682.28 R48.1@15228.29,12682.28
NetR49_2: R49.2 U6.1 | length 90.5
  Top Layer w6: R49.2@14977.71,12727.6 14977.71,12729.57 14982.59,12734.44 14984.56,12734.44 15020.48,12770.36 15046.67,12770.36 U6.1@15048.6,12772.28
NetR50_1: R50.1 U6.9 | length 69.6
  Top Layer w6: U6.9@15158.83,12772.28 15227.97,12772.28 R50.1@15228.29,12772.6